# Altium PCB PCB2.PcbDoc
Units mm, origin at the board's own origin, x right, y up, seen from the top; angles counter-clockwise.
Board outline 58 x 55 mm, 4 copper layers (Top Layer, Int1 (GND), Int2 (PWR), Bottom Layer), stack 1.57 mm thick; 64 components, 40 nets, 251 pads, 92 vias.
Unrouted connection lines stored in the file: 2.
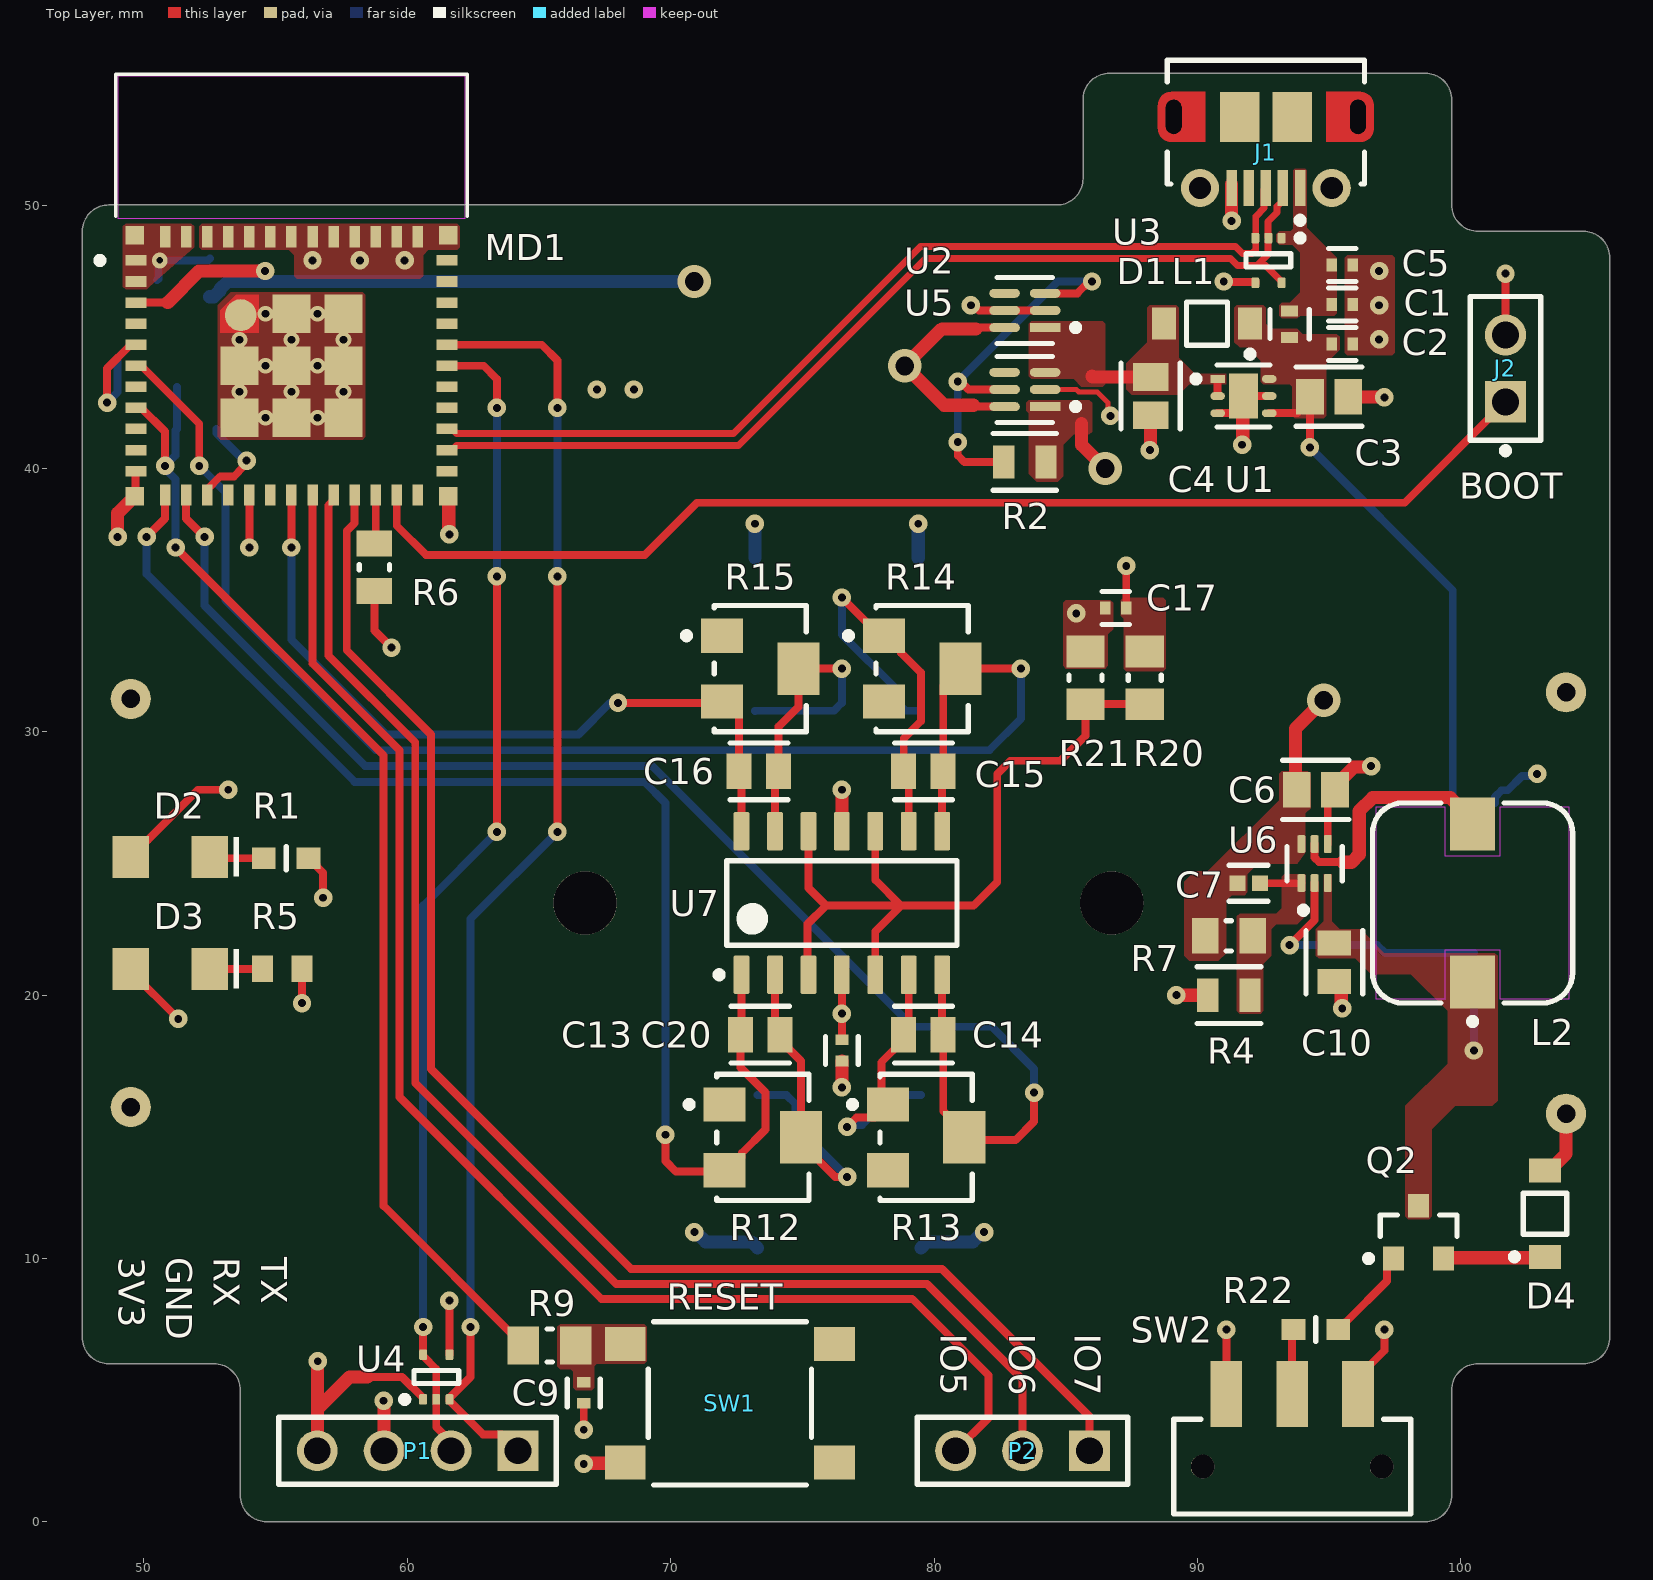
[diagram p0: Top Layer view]
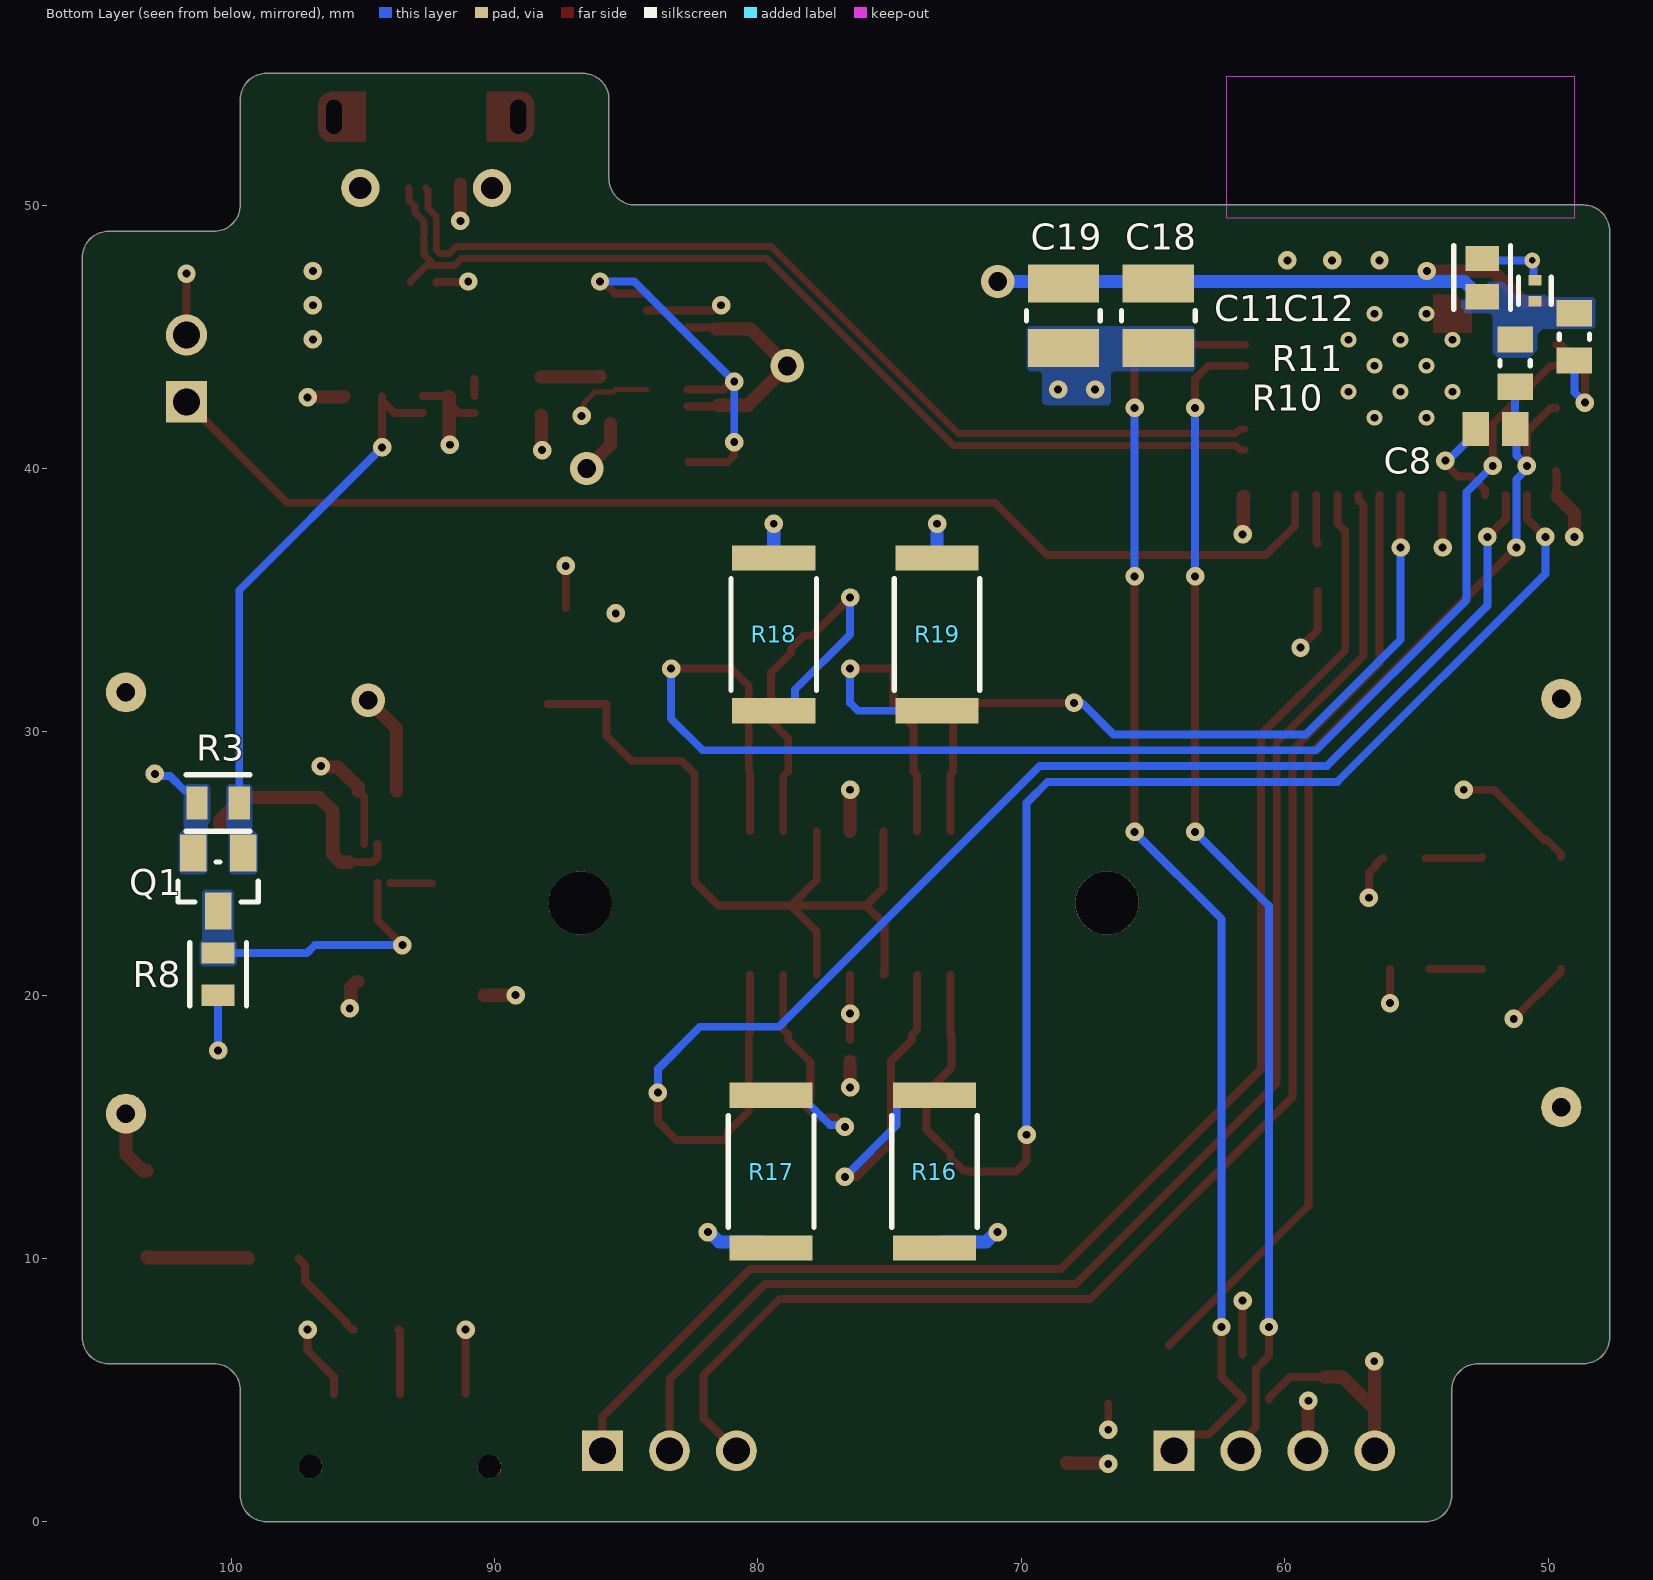
[diagram p1: Bottom Layer view, seen from below]
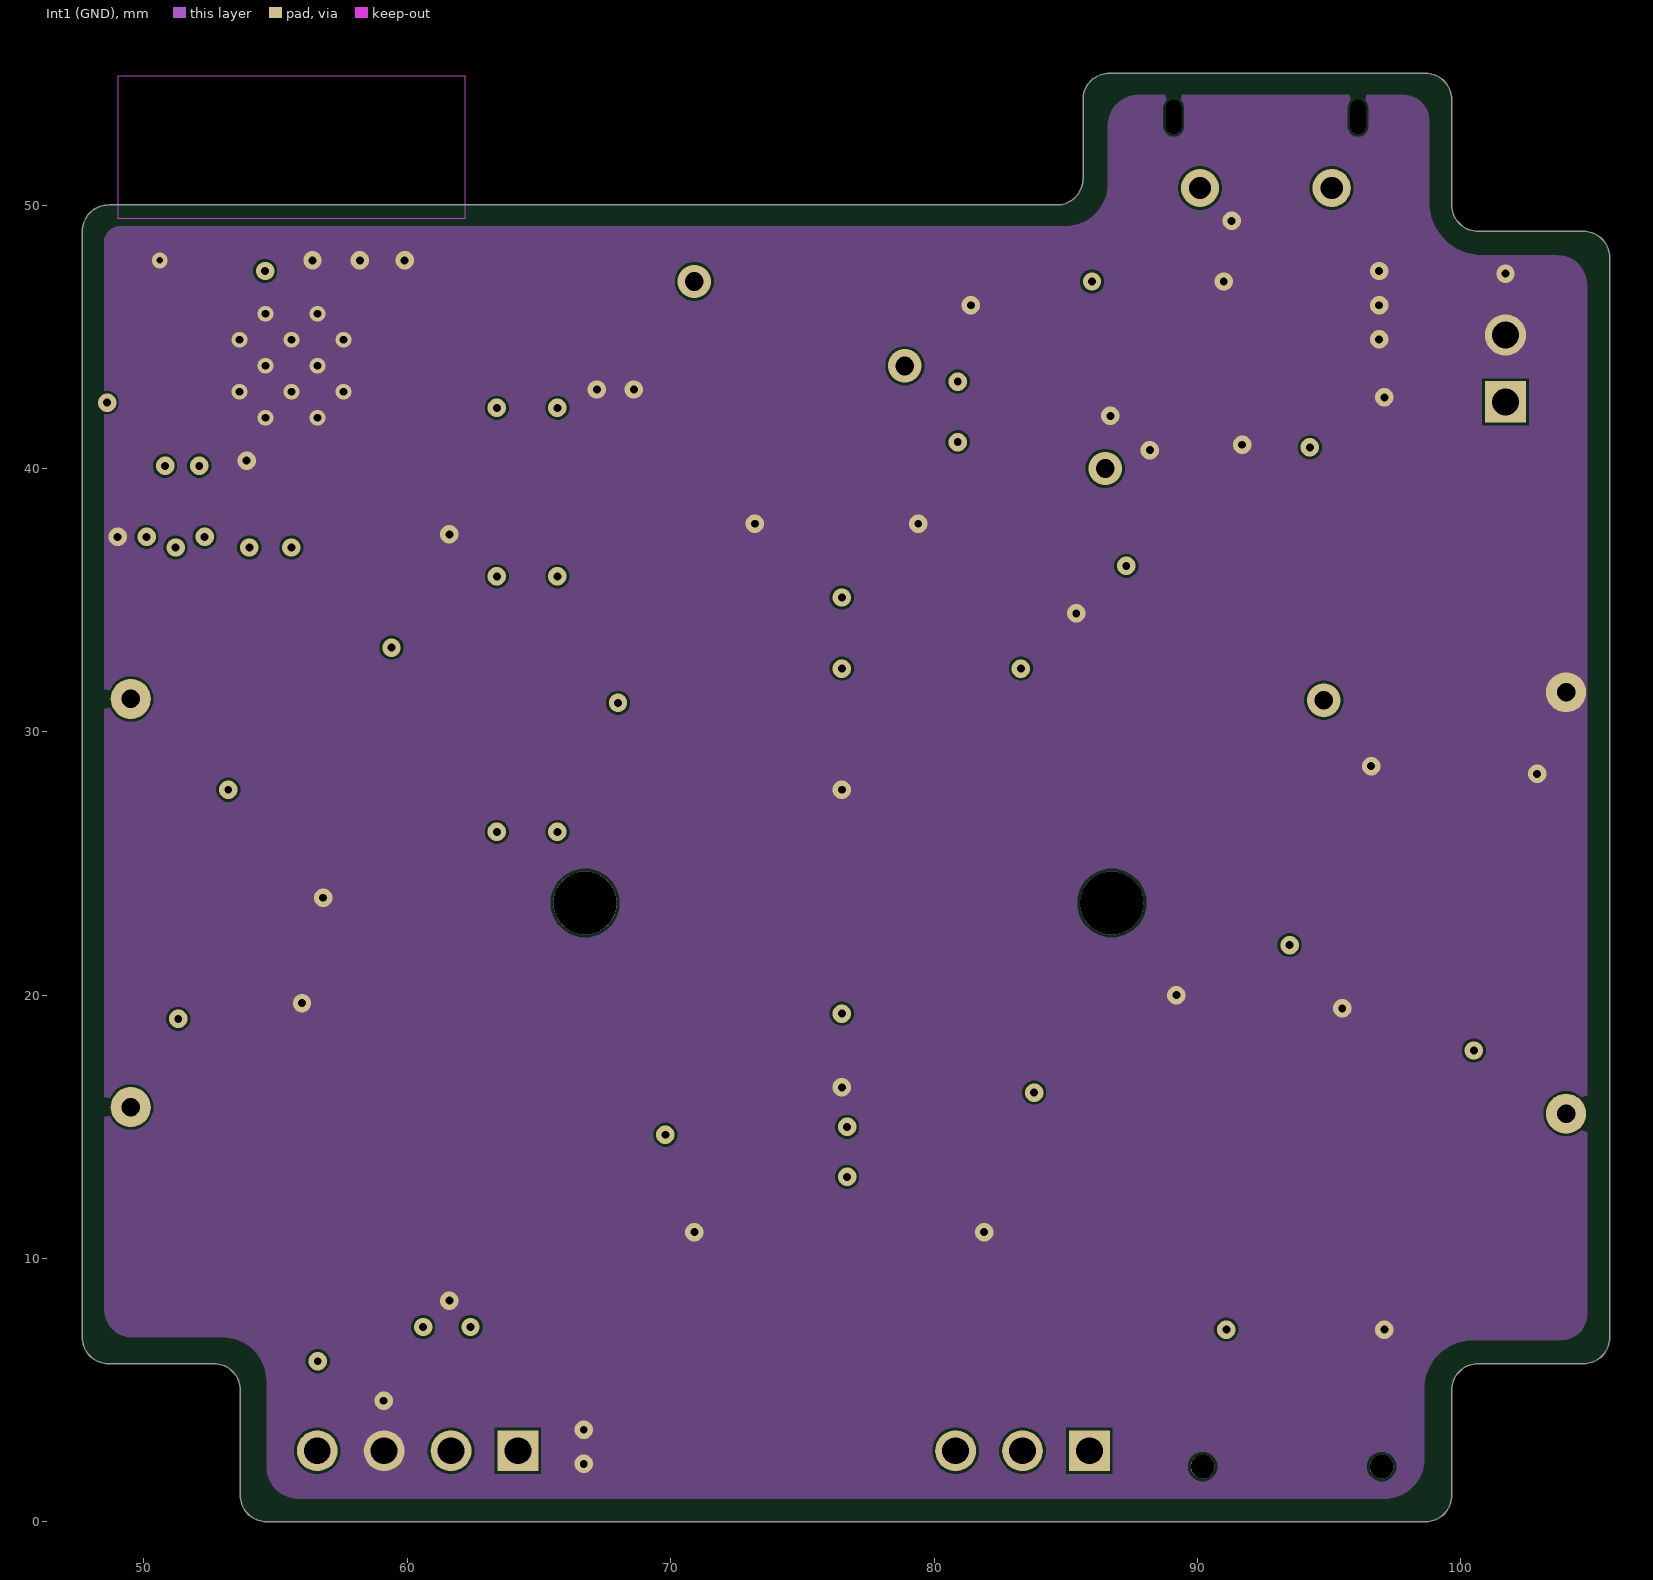
[diagram p2: Int1 (GND)]
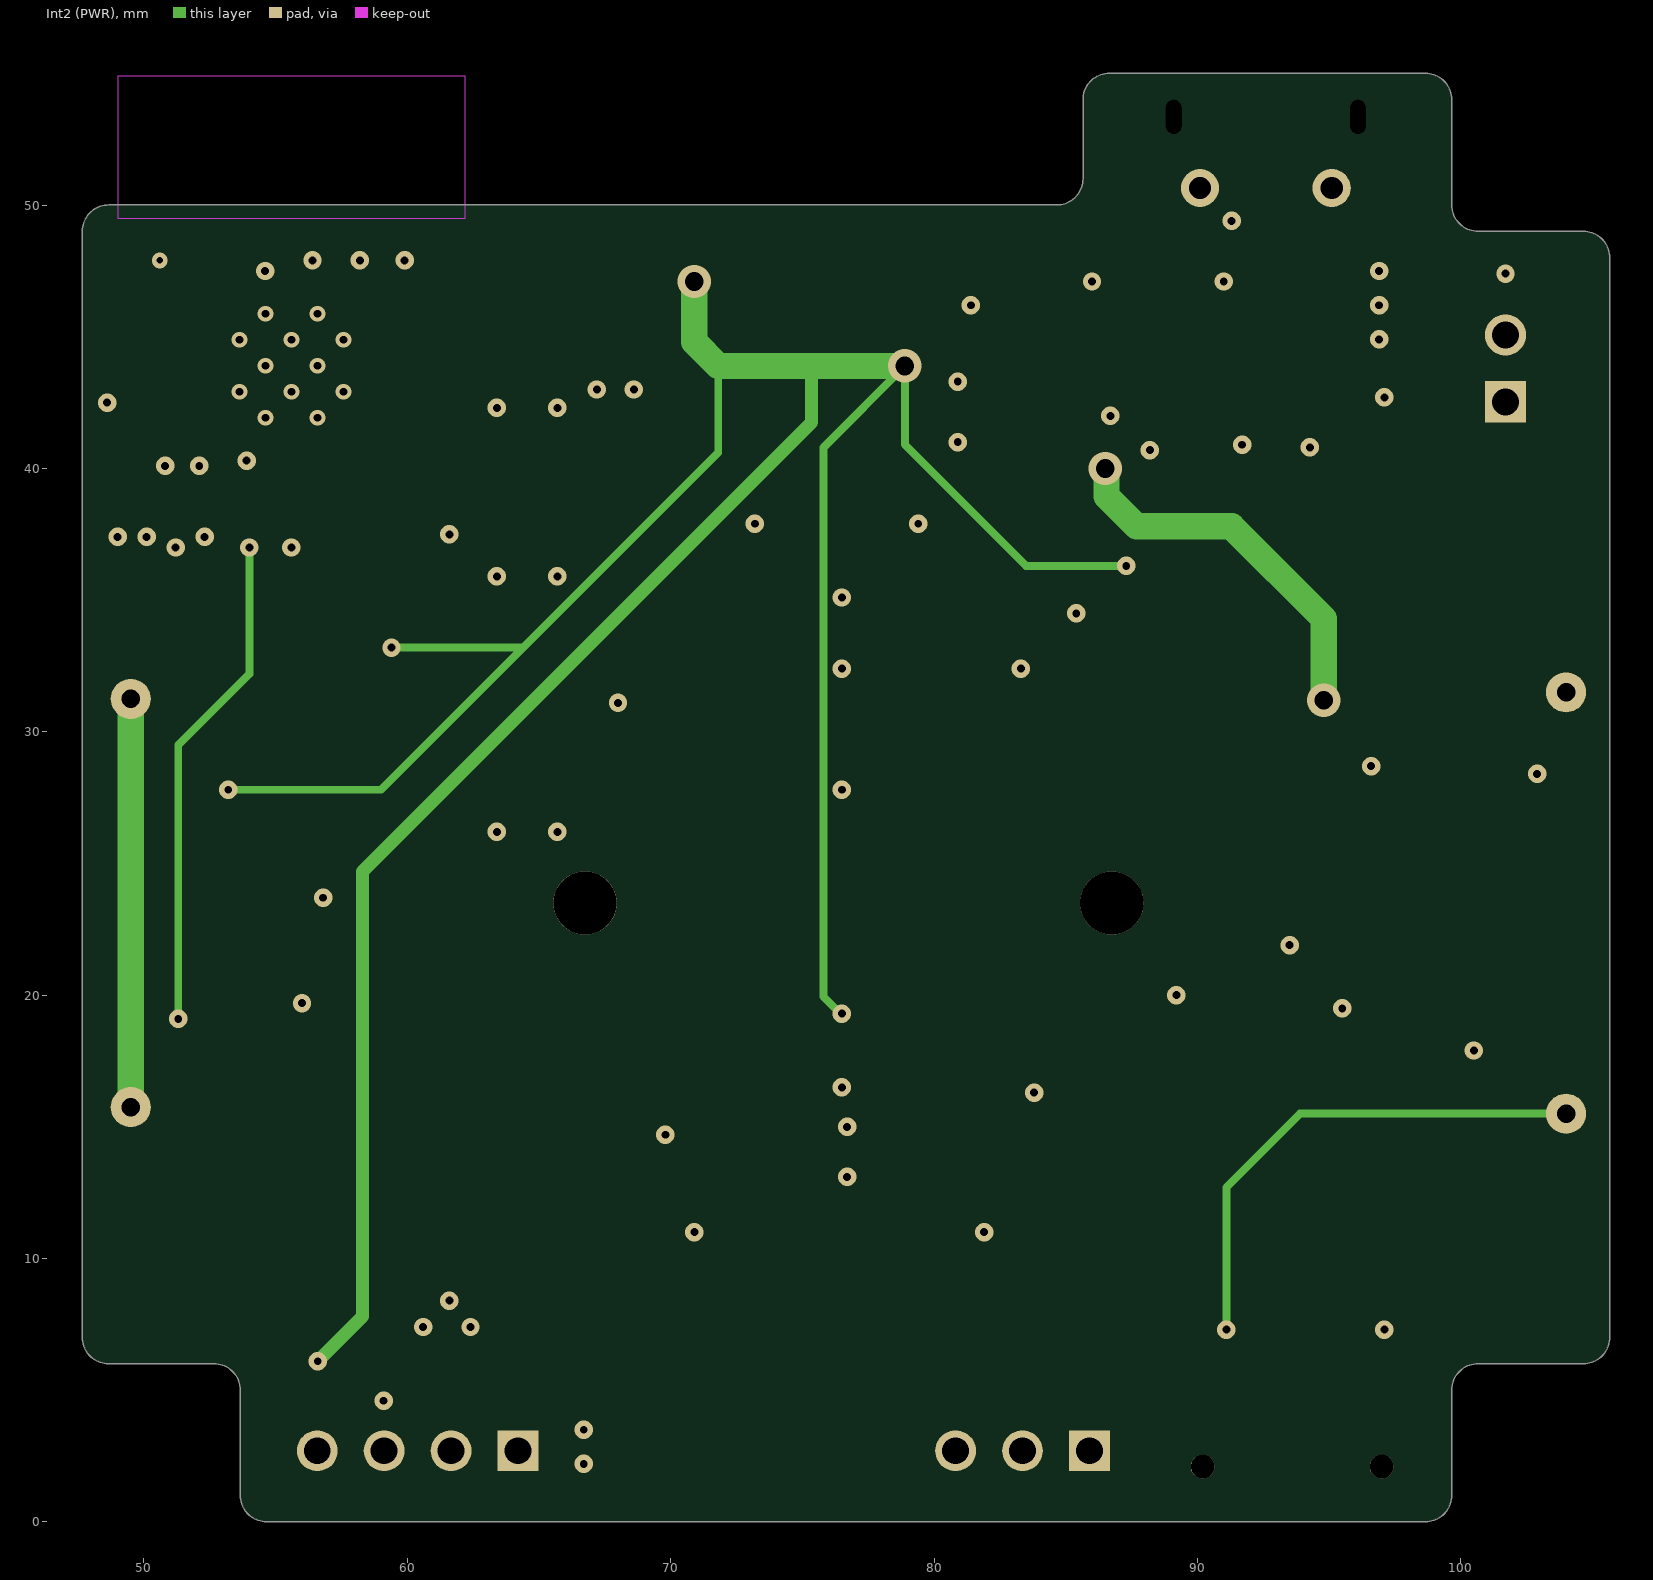
[diagram p3: Int2 (PWR)]
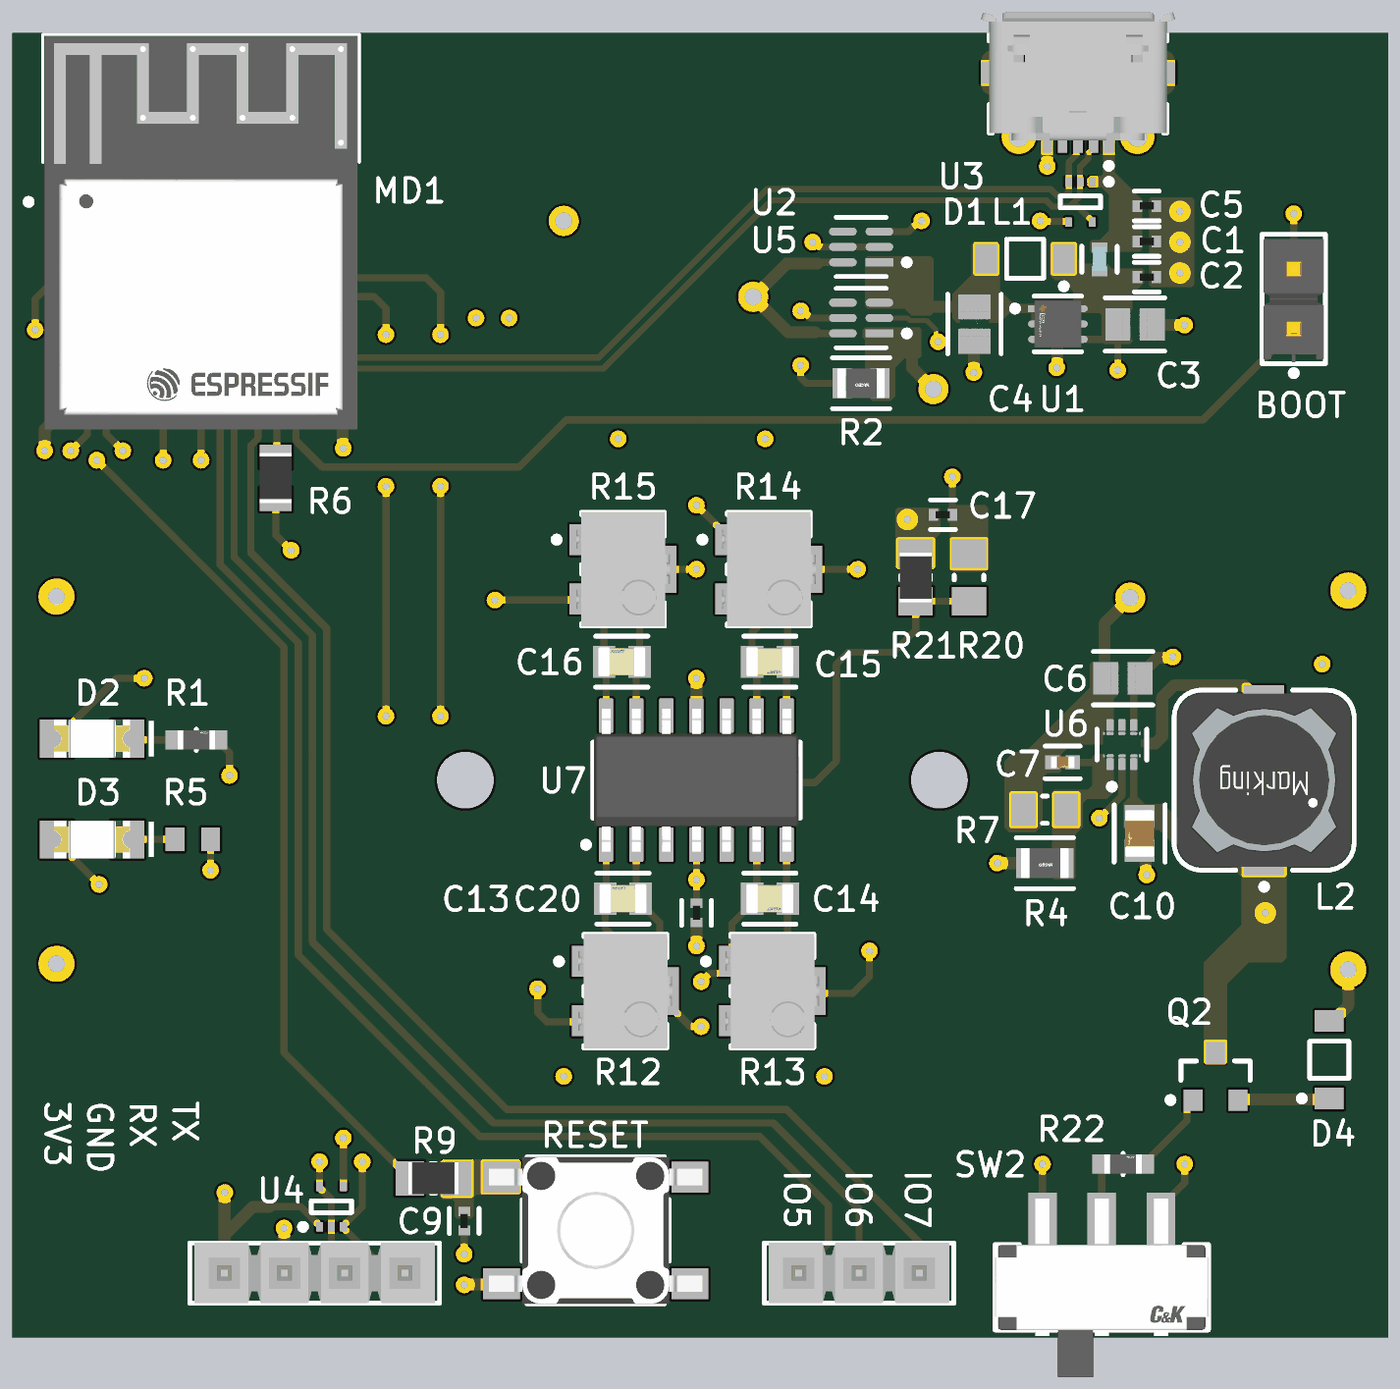
[diagram p4: 3D render of the assembled board from above, using the file's embedded part models]
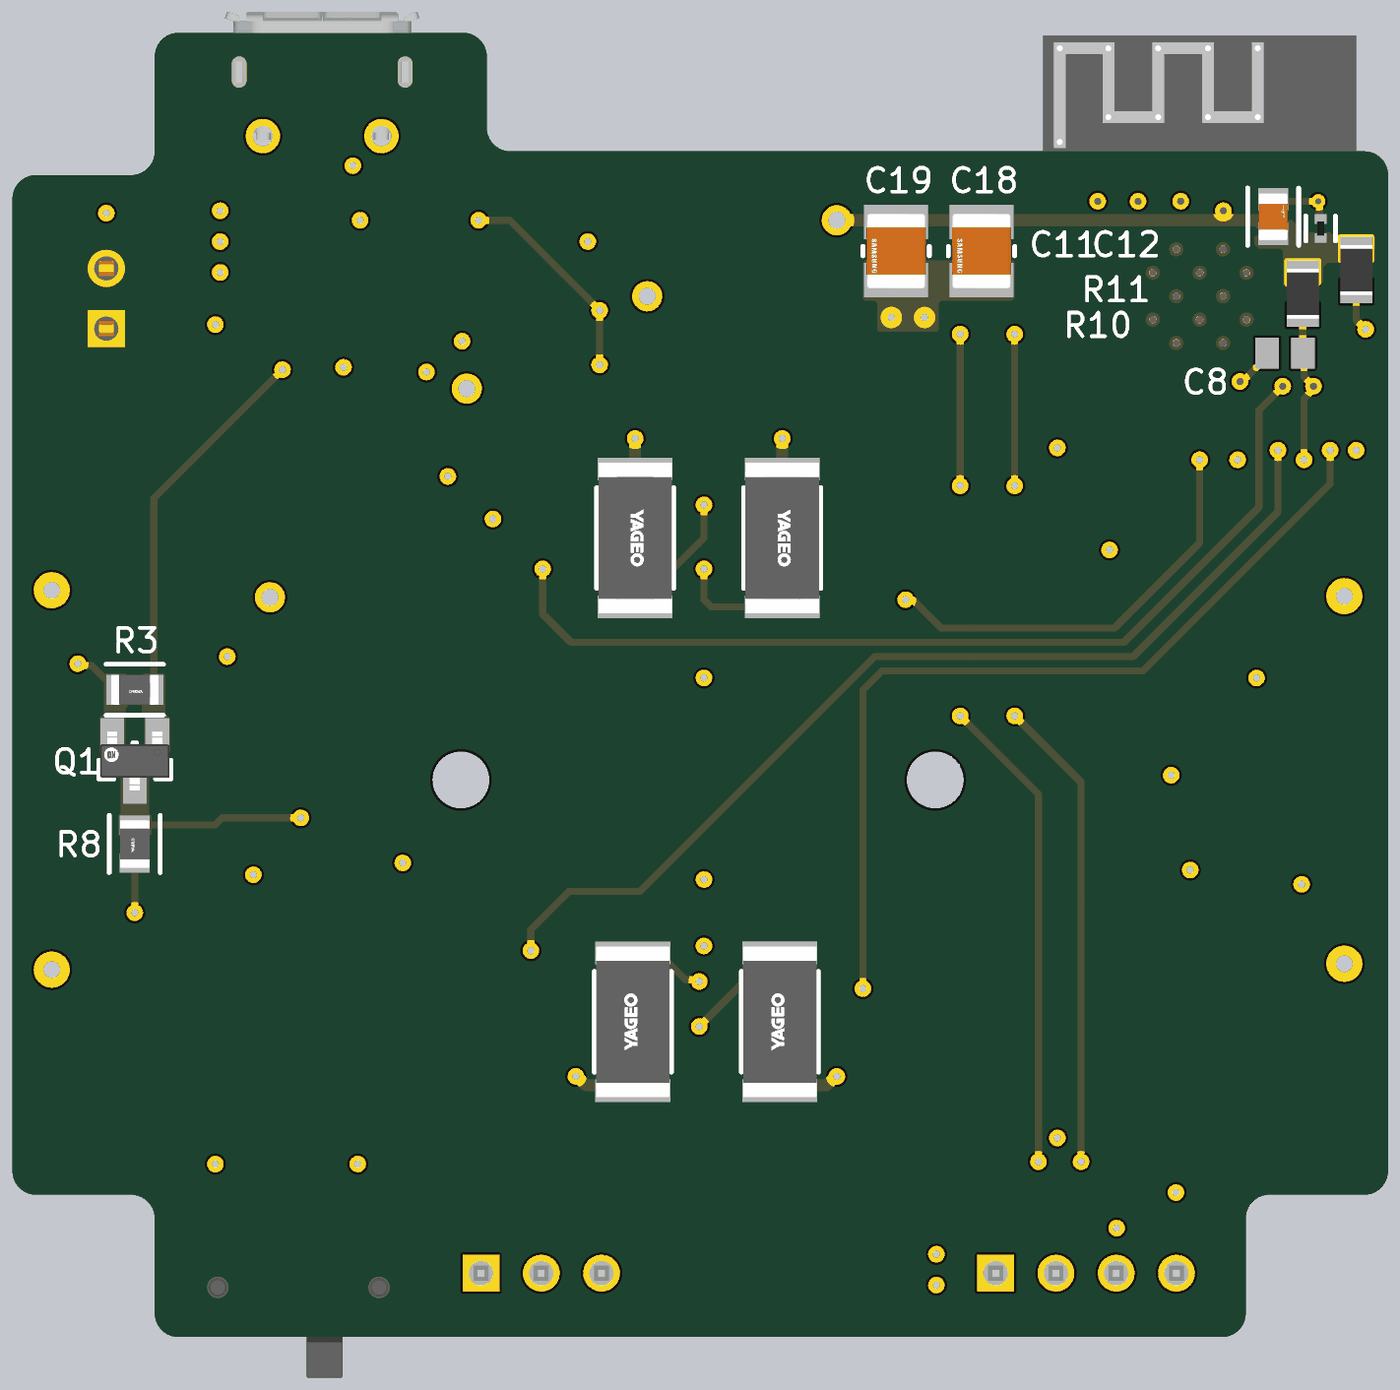
[diagram p5: 3D render of the assembled board from below, using the file's embedded part models]

## Layer stack, top to bottom
Top Solder: solder mask 0.0254, SM-001, Dk 4
Top Layer: signal copper 0.035
Dielectric 1: prepreg 0.2, PP-017, Dk 4.6
Int1 (GND): signal copper 0.0175
Dielectric 3: core 1.065, Core-039, Dk 4.6
Int2 (PWR): signal copper 0.0175
Dielectric 5: prepreg 0.2, PP-017, Dk 4.6
Bottom Layer: signal copper 0.035
Bottom Solder: solder mask 0.0254, SM-001, Dk 4

## Board outline
47.658,7.006 ccw(c48.658,7.006) 48.658,6.006 52.658,6.006 cw(c52.658,5.006) 53.658,5.006 53.658,1.006 ccw(c54.658,1.006) 54.658,0.006 98.658,0.006 ccw(c98.658,1.006) 99.658,1.006 99.658,5.006 cw(c100.658,5.006) 100.658,6.006 104.658,6.006 ccw(c104.658,7.006) 105.658,7.006 105.658,48.006 ccw(c104.658,48.006) 104.658,49.006 100.658,49.006 cw(c100.658,50.006) 99.658,50.006 99.658,54.006 ccw(c98.658,54.006) 98.658,55.006 86.658,55.006 ccw(c86.658,54.006) 85.658,54.006 85.658,51.006 cw(c84.658,51.006) 84.658,50.006 48.658,50.006 ccw(c48.658,49.006) 47.658,49.006

## Design rules (kind name [scope] priority, off if disabled: settings)
Clearance [All] p1: gap=0.1 ignorepadtopadclearanceinfootprint=TRUE
DiffPairsRouting [All] p1: maxlimit=0.254 minlimit=0.203 mostfreqgap=0.254 toplayer_maxgap=0.203 toplayer_prefgap=0.203 toplayer_minwidth=0.26 toplayer_maxwidth=0.26 toplayer_prefwidth=0.26 bottomlayer_maxgap=0.203 bottomlayer_prefgap=0.203 bottomlayer_minwidth=0.26 bottomlayer_maxwidth=0.26 bottomlayer_prefwidth=0.26 impedanceprofiledriven=TRUE impedanceprofileid={F53A8EA0-3E01-42A7-8447-5724F9B2B628} impedanceprofilevalue=90.000000 maxuncoupledlength=12.7
PolygonConnect [All] p1: connectstyle=Direct reliefconductorwidth=0.254 reliefentries=4 polygonreliefangle="90 Angle" airgapwidth=0.254
RoutingVias [All] p1: holewidth=0.3 width=0.7 viastyle="Through Hole" minholewidth=0.15 minwidth=0.25 maxholewidth=6.3 maxwidth=7
SolderMaskExpansion [All] p1: expansion=0.102 istentingtop=FALSE
SupplyNets "Schematic Supply Nets_6" [InNet('VBAT')] p1: voltage=0.000
SupplyNets "Schematic Supply Nets_5" [InNet('+3V3')] p2: voltage=0.000
SupplyNets "Schematic Supply Nets_4" [InNet('VBUS')] p3: voltage=0.000
SupplyNets "Schematic Supply Nets_3" [InNet('+3V3USB')] p4: voltage=0.000
SupplyNets "Schematic Supply Nets_2" [InNet('VBUS_FILT')] p5: voltage=0.000
SupplyNets "Schematic Supply Nets_1" [InNet('+3V3BAT')] p6: voltage=0.000
SupplyNets "Schematic Supply Nets" [InNet('GND')] p7: voltage=0.000
UnRoutedNet [All] p1: checkbadconnections=TRUE
Width [All] p1: maxlimit=1 minlimit=0.2 preferedwidth=0.3 minimp=50.000000 maximp=50.000000 favimp=50.000000
28 further rules are at their usual default settings.

## Classes and differential pairs
differential pair USB_D: +USB_D_P -USB_D_N

## Components (designator, comment, footprint, x,y, rotation, side; value= is the part's Value field where it differs from the comment)
C1 "100n" FP-GRM15-MFG 95.5,46.228 r0 top value=0.10μF
C2 "100n" FP-GRM15-MFG 95.5,44.728 r0 top value=0.10μF
C3 "10u" FP-CL21-IPC_C 95,42.728 r0 top
C4 "10u" FP-CL21-IPC_C 88.228,42.75 r270 top
C5 "100n" FP-GRM15-MFG 95.5,47.728 r0 top value=0.10μF
C6 "10u" FP-CL21-IPC_C 94.5,27.8 r0 top
C7 "1p" FP-GJM155-0_05-IPC_B 91.95,24.25 r0 top
C8 "1u" CAPC2013X135X45LL10T25 52,41.5 r0 bottom
C9 "100n" FP-GRM15-MFG 66.7,4.9 r270 top value=0.10μF
C10 "10u" FP-GRM21B-0_1-IPC_C 95.2,21.25 r270 top
C11 "10u" FP-GRM21B-0_1-IPC_C 52.5,47.25 r90 bottom
C12 "100n" FP-GRM15-MFG 50.5,46.75 r90 bottom value=0.10μF
C13 "47p" FP-C0805C-DN-MFG 73.4,18.5 r0 top value="47 pF"
C14 "47p" FP-C0805C-DN-MFG 79.6,18.5 r180 top value="47 pF"
C15 "47p" FP-C0805C-DN-MFG 79.6,28.5 r180 top value="47 pF"
C16 "47p" FP-C0805C-DN-MFG 73.35,28.5 r0 top value="47 pF"
C17 "100n" FP-GRM15-MFG 86.9,34.7 r180 top value=0.10μF
C18 "100u" FP-CL32-IPC_C 64.8,45.8 r270 bottom
C19 "100u" FP-CL32-IPC_C 68.4,45.8 r270 bottom
C20 "100n" FP-GRM15-MFG 76.5,17.9 r270 top value=0.10μF
D1 "MBR120VLSFT1G" ONSC-SOD-123FL-2-498-01_V 90.365,45.5 r180 top
D2 "150120GS75000" WL-SMCW_1206_150120xx75000 51,25.25 r180 top
D3 "150120SS75000" WL-SMCW_1206_150120xx75000 51,21 r180 top
D4 "MBR120VLSFT1G" ONSC-SOD-123FL-2-498-01_V 103.2,11.7 r90 top
J1 "105017-0001" USB-MICRO-B_V 92.6,52 r180 top
J2 "TSW-102-07-L-S" FP-TSW-102-07-L-S-MFG 101.7,43.8 r90 top
L1 "2n2" FP-LQW15AN_80-MFG 93.5,45.478 r270 top
L2 "2u2" WE-PD_7332R 100.45,23.5 r180 top
MD1 "ESP32-C3-MINI-1-N4" FP-ESP32-C3-MINI-1-N4-MFG 55.6,43.9 r0 top
P1 "TSW-104-08-G-S" SMTC-TSW-104-08-X-S 64.2,2.7 r180 top
P2 "TSW-103-07-L-S" SMTC-TSW-103-07-X-S 85.9,2.7 r180 top
Q1 "FDN337N" FP-527AG-MFG 100.5,24.3 r270 bottom
Q2 "NTRV4101PT1G" ONSC-SOT-23-3-318-08_V 98.4,11 r90 top
R1 "47" FP-RC0603-0_55-MFG 55.4,25.2 r0 top
R2 "100k" FP-RC0805-0_6-IPC_C 83.448,40.25 r180 top
R3 "100k" FP-RC0805-0_6-IPC_C 100.5,27.3 r0 bottom
R4 "100k" FP-RC0805-0_6-IPC_C 91.2,20 r180 top
R5 "150" RESC1608X55X25ML10T15 55.25,21 r180 top
R6 "10k" RESC2013X60X35NL10T20 58.75,36.25 r90 top
R7 "453k" RESC2013X60X35NL10T20 91.2,22.25 r180 top
R8 "100k" FP-RC0805-0_6-IPC_C 100.5,20.798 r90 bottom
R9 "0" RESC2013X60X35ML10T20 65.4,6.7 r180 top
R10 "10k" RESC2013X60X35NL10T20 51.25,44 r90 bottom
R11 "10k" RESC2013X60X35NL10T20 49,45 r270 bottom
R12 "100k" BOUR-3214W_V 73.5,14.6 r0 top
R13 "100k" BOUR-3214W_V 79.7,14.6 r0 top
R14 "100k" BOUR-3214W_V 79.55,32.4 r0 top
R15 "100k" BOUR-3214W_V 73.4,32.4 r0 top
R16 "0" FP-RC2512-0_65-IPC_C 73.3,13.302 r90 bottom
R17 "0" FP-RC2512-0_65-IPC_C 79.5,13.3 r90 bottom
R18 "0" FP-RC2512-0_65-IPC_C 79.4,33.702 r270 bottom
R19 "0" FP-RC2512-0_65-IPC_C 73.2,33.7 r270 bottom
R20 "2k" RESC2013X60X35ML10T20 88,32.05 r90 top
R21 "1k" RESC2013X60X35ML10T20 85.75,32.05 r90 top
R22 "47" FP-RC0603-0_55-MFG 94.5,7.3 r0 top
SW1 "430152070826" 430152070826 72.25,4.5 r180 top
SW2 "JS102011SAQN" FP-JS102011SAQN-MFG 93.6,2.1 r0 top
U1 "TLV76733DRVR" FP-DRV0006A-IPC_C 91.75,42.75 r0 top
U2 "LM66100DCKT" FP-DCK0006A-IPC_C 83.448,46 r180 top
U3 "TPD2E001DRLR" DRL0005A_L 92.7,47.9 r270 top
U4 "TPD2E001DRLR" DRL0005A_L 61.1,5.5 r90 top
U5 "LM66100DCKT" FP-DCK0006A-IPC_C 83.448,43 r180 top
U6 "TPS61023DRLR" FP-DRL0006A-MFG 94.45,25 r90 top
U7 "TLV2474AID" D0014A_N 76.5,23.5 r90 top
